# Altium PCB ECU_AutoRC_r00.PcbDoc (part 1 of 2) (continued)
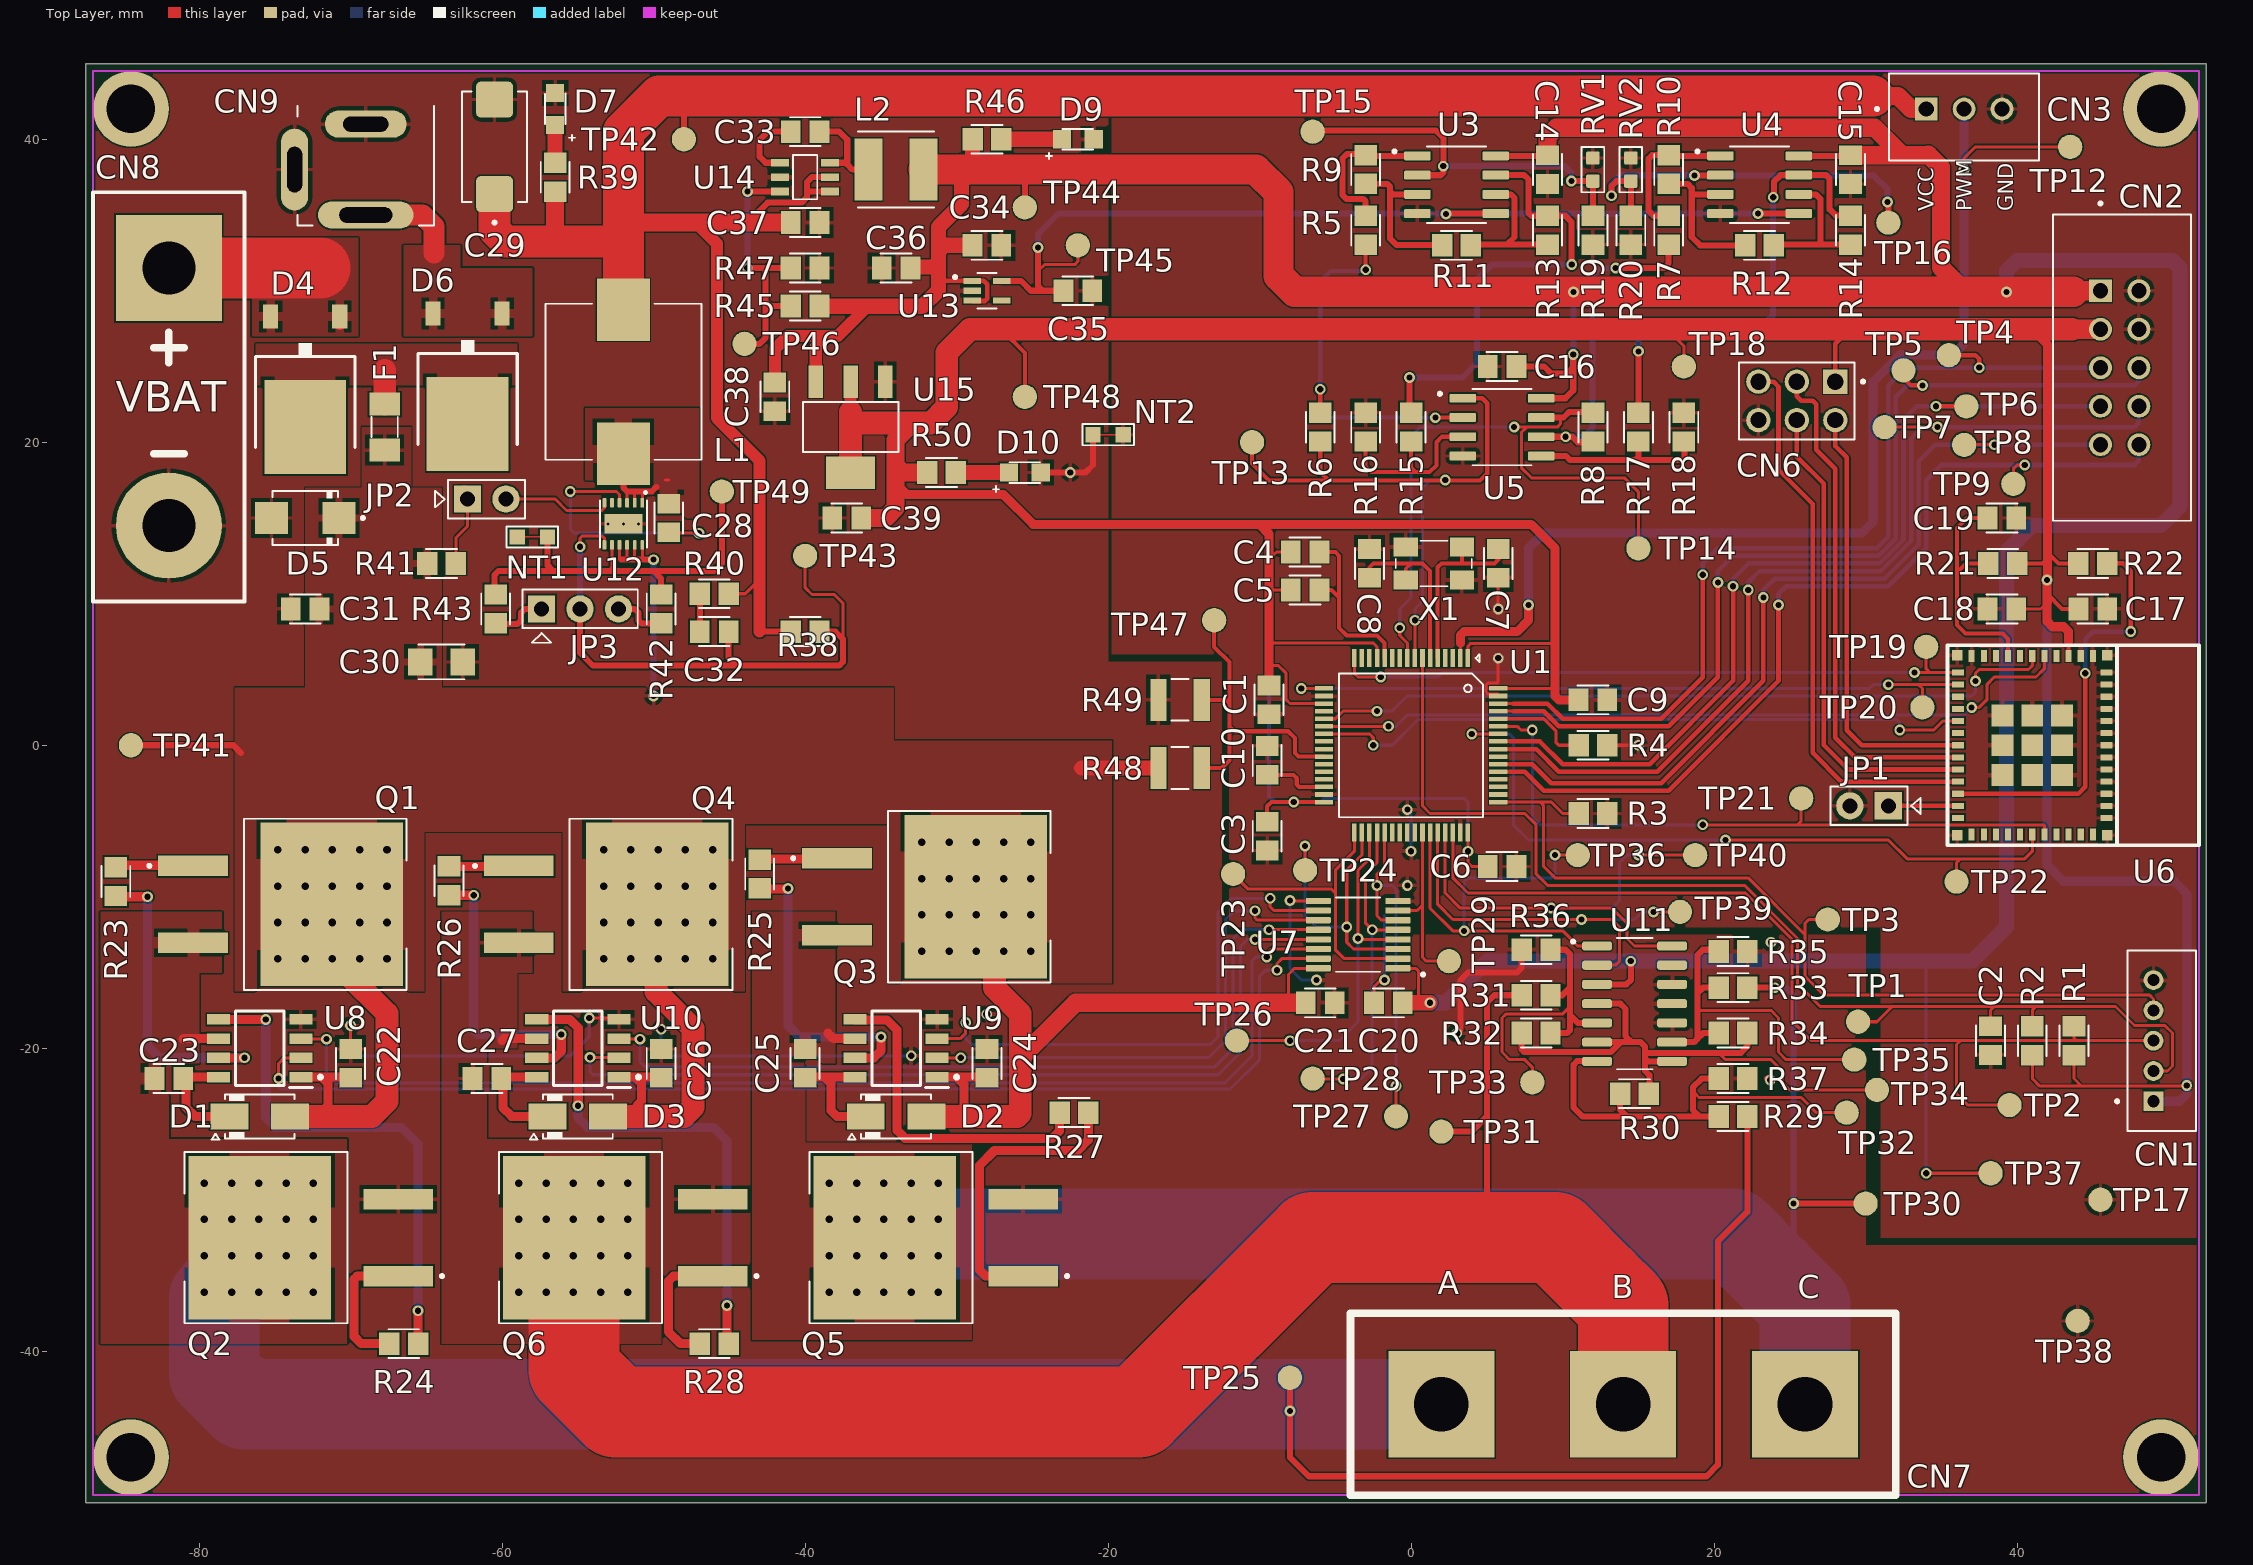
[diagram p0: Top Layer view]
## Design rules (kind name [scope] priority, off if disabled: settings) (continued)
PolygonConnect PolygonConnect_9 [All vs IsNamedPolygon('PH_A_p1')] p23: thpad.connectstyle=Relief thpad.reliefconductorwidth=0.254 thpad.reliefentries=4 thpad.polygonreliefangle="90 Angle" thpad.airgapwidth=0.254 smdpad.connectstyle=Relief smdpad.reliefconductorwidth=2 smdpad.reliefentries=2 smdpad.polygonreliefangle="90 Angle" smdpad.airgapwidth=0.254 via.connectstyle=Relief via.reliefconductorwidth=0.254 via.reliefentries=4 via.polygonreliefangle="90 Angle" via.airgapwidth=0.254
PolygonConnect PolygonConnect_8 [All vs IsNamedPolygon('PH_A_p1')] p24: thpad.connectstyle=Relief thpad.reliefconductorwidth=0.254 thpad.reliefentries=4 thpad.polygonreliefangle="90 Angle" thpad.airgapwidth=0.254 smdpad.connectstyle=Relief smdpad.reliefconductorwidth=2 smdpad.reliefentries=2 smdpad.polygonreliefangle="90 Angle" smdpad.airgapwidth=0.254 via.connectstyle=Relief via.reliefconductorwidth=0.254 via.reliefentries=4 via.polygonreliefangle="90 Angle" via.airgapwidth=0.254
PolygonConnect PolygonConnect_7 [All vs IsNamedPolygon('PH_A_p1')] p25: thpad.connectstyle=Relief thpad.reliefconductorwidth=0.254 thpad.reliefentries=4 thpad.polygonreliefangle="90 Angle" thpad.airgapwidth=0.254 smdpad.connectstyle=Relief smdpad.reliefconductorwidth=2 smdpad.reliefentries=2 smdpad.polygonreliefangle="0 Angle" smdpad.airgapwidth=0.254 via.connectstyle=Relief via.reliefconductorwidth=0.254 via.reliefentries=4 via.polygonreliefangle="90 Angle" via.airgapwidth=0.254
PolygonConnect PolygonConnect_6 [All vs IsNamedPolygon('PH_C_L01_P006')] p26: thpad.connectstyle=Relief thpad.reliefconductorwidth=0.254 thpad.reliefentries=4 thpad.polygonreliefangle="90 Angle" thpad.airgapwidth=0.254 smdpad.connectstyle=Relief smdpad.reliefconductorwidth=2 smdpad.reliefentries=4 smdpad.polygonreliefangle="90 Angle" smdpad.airgapwidth=0.254 via.connectstyle=Relief via.reliefconductorwidth=0.254 via.reliefentries=4 via.polygonreliefangle="90 Angle" via.airgapwidth=0.254
PolygonConnect PolygonConnect_5 [All vs IsNamedPolygon('PH_B_L01_P005')] p27: thpad.connectstyle=Relief thpad.reliefconductorwidth=0.254 thpad.reliefentries=4 thpad.polygonreliefangle="90 Angle" thpad.airgapwidth=0.254 smdpad.connectstyle=Relief smdpad.reliefconductorwidth=2 smdpad.reliefentries=4 smdpad.polygonreliefangle="90 Angle" smdpad.airgapwidth=0.254 via.connectstyle=Relief via.reliefconductorwidth=0.254 via.reliefentries=4 via.polygonreliefangle="90 Angle" via.airgapwidth=0.254
PolygonConnect PolygonConnect_4 [All vs IsNamedPolygon('PH_A_L01_P004')] p28: thpad.connectstyle=Relief thpad.reliefconductorwidth=0.254 thpad.reliefentries=4 thpad.polygonreliefangle="90 Angle" thpad.airgapwidth=0.254 smdpad.connectstyle=Relief smdpad.reliefconductorwidth=2 smdpad.reliefentries=4 smdpad.polygonreliefangle="90 Angle" smdpad.airgapwidth=0.254 via.connectstyle=Relief via.reliefconductorwidth=0.254 via.reliefentries=4 via.polygonreliefangle="90 Angle" via.airgapwidth=0.254
PolygonConnect PolygonConnect_3 [All vs IsNamedPolygon('VCC_P1')] p29: thpad.connectstyle=Relief thpad.reliefconductorwidth=0.254 thpad.reliefentries=4 thpad.polygonreliefangle="90 Angle" thpad.airgapwidth=0.254 smdpad.connectstyle=Relief smdpad.reliefconductorwidth=0.5 smdpad.reliefentries=4 smdpad.polygonreliefangle="90 Angle" smdpad.airgapwidth=0.254 via.connectstyle=Relief via.reliefconductorwidth=0.254 via.reliefentries=4 via.polygonreliefangle="90 Angle" via.airgapwidth=0.254
PolygonConnect PolygonConnect_2 [All vs IsNamedPolygon('VCC_P2')] p30: thpad.connectstyle=Relief thpad.reliefconductorwidth=0.254 thpad.reliefentries=4 thpad.polygonreliefangle="90 Angle" thpad.airgapwidth=0.254 smdpad.connectstyle=Relief smdpad.reliefconductorwidth=6 smdpad.reliefentries=4 smdpad.polygonreliefangle="90 Angle" smdpad.airgapwidth=0.254 via.connectstyle=Relief via.reliefconductorwidth=0.254 via.reliefentries=4 via.polygonreliefangle="90 Angle" via.airgapwidth=0.254
PolygonConnect PolygonConnect_1 [All vs IsNamedPolygon('VCC_P2')] p31: thpad.connectstyle=Relief thpad.reliefconductorwidth=0.254 thpad.reliefentries=4 thpad.polygonreliefangle="90 Angle" thpad.airgapwidth=0.254 smdpad.connectstyle=Relief smdpad.reliefconductorwidth=4 smdpad.reliefentries=4 smdpad.polygonreliefangle="90 Angle" smdpad.airgapwidth=0.254 via.connectstyle=Relief via.reliefconductorwidth=0.254 via.reliefentries=4 via.polygonreliefangle="90 Angle" via.airgapwidth=0.254
PolygonConnect PolygonConnect_VCC [All] p32: connectstyle=Relief reliefconductorwidth=0.254 reliefentries=4 polygonreliefangle="90 Angle" airgapwidth=0.254
PolygonConnect [All] p33: connectstyle=Relief reliefconductorwidth=0.254 reliefentries=4 polygonreliefangle="90 Angle" airgapwidth=0.254
RoutingVias [All] p1: holewidth=0.406 width=0.711 viastyle="Through Hole" minholewidth=0.406 minwidth=0.711 maxholewidth=0.406 maxwidth=0.711
ShortCircuit ShortCircuit_1 [InNet('PGND') vs InNet('GND')] p1: allowed=TRUE
ShortCircuit PGND-AGND [InNet('AGND') vs InNet('PGND')] p2: allowed=TRUE
ShortCircuit [All] p3: allowed=FALSE
SolderMaskExpansion [All] p1: expansion=0.102 istentingtop=FALSE
SupplyNets "Schematic Supply Nets_6" [InNet('PGND')] p1: voltage=0.000
SupplyNets "Schematic Supply Nets_5" [InNet('GND')] p2: voltage=0.000
SupplyNets "Schematic Supply Nets_8" [InNet('+1V5')] p3: voltage=0.000
SupplyNets "Schematic Supply Nets_4" [InNet('+8V4')] p4: voltage=0.000
SupplyNets "Schematic Supply Nets_3" [InNet('AGND')] p5: voltage=0.000
SupplyNets "Schematic Supply Nets_2" [InNet('+5V')] p6: voltage=0.000
SupplyNets "Schematic Supply Nets_1" [InNet('+3V3')] p7: voltage=0.000
SupplyNets "Schematic Supply Nets" [InNet('VCC')] p8: voltage=0.000
Width [All] p1: maxlimit=7 minlimit=0.16 preferedwidth=0.254 minimp=50.000000 maximp=50.000000 favimp=50.000000
29 further rules are at their usual default settings.

## Classes and differential pairs
component class "Realimentación de control del motor Brushless": CN7 R29 R30 R31 R32 R33 R34 R35 R36 R37 TP32 TP33 TP34 TP35 TP36 TP37 TP38 TP39 TP40 U11
component class "Medición de temperatura": C14 C15 C16 R5 R6 R7 R8 R9 R10 R11 R12 R13 R14 R15 R16 R17 R18 R19 R20 RV1 RV2 TP13 TP14 TP15 TP16 U3 U4 U5
component class "Fuente y reguladores de Voltaje": " NT2" C28 C29 C30 C31 C32 C33 C34 C35 C36 C37 C38 C39 CN8 CN9 D4 D5 D6 D7 D9 D10 F1 JP2 JP3 L1 L2 NT1 R38 R39 R40 R41 R42 R43 R45 R46 R47 R48 R49 R50 TP41 TP42 TP43 TP44 TP45 TP46 TP47 TP48 TP49 U12 U13 U14 U15
component class "Driver Motor Brushless": C20 C21 C22 C23 C24 C25 C26 C27 D1 D2 D3 Q1 Q2 Q3 Q4 Q5 Q6 R23 R24 R25 R26 R27 R28 TP23 TP24 TP25 TP26 TP27 TP28 TP29 TP30 TP31 U7 U8 U9 U10
component class "CPU - Ports, Periféricos": CN2 CN3 TP4 TP5 TP6 TP7 TP8 TP9 TP12
component class "CPU- Clock, JTAG y Power": C1 C2 C3 C4 C5 C6 C7 C8 C9 C10 CN1 R1 R2 R3 R4 TP1 TP2 TP3 U1 X1
component class "Conectivad Bluetooth v5.0": C17 C18 C19 CN6 JP1 R21 R22 TP17 TP18 TP19 TP20 TP21 TP22 U6

## Components (designator, comment, footprint, x,y, rotation, side; value= is the part's Value field where it differs from the comment)
C1 "100nF 25V X7R" C_0805 -9.38,3 r90 top
C2 "100nF 25V X7R" C_0805 38.25,-19.5 r270 top
C3 "100nF 25V X7R" C_0805 -9.5,-6 r90 top
C4 "100nF 25V X7R" C_0805 -7,12.75 r0 top
C5 "100nF 25V X7R" C_0805 -7,10.25 r0 top
C6 "100nF 25V X7R" C_0805 6,-8 r180 top
C7 "22pF 25V C0G" C_0805 5.75,12 r270 top
C8 "22pF 25V C0G" C_0805 -2.75,12 r90 top
C9 "100nF 25V X7R" C_0805 12,3 r180 top
C10 "4.7uF 25V X7R" C_0805 -9.5,-1 r270 top
C14 "0.1uF 25V X7R" C_0805 9,38 r270 top
C15 "0.1uF 25V X7R" C_0805 29,38 r270 top
C16 "0.1uF 25V X7R" C_0805 6,25 r180 top
C17 "10uF 25V X7R" C_0805 45,9 r0 top
C18 "100nF 25V X7R" C_0805 39,9 r180 top
C19 "1uF 25V X7R" C_0805 39,15 r0 top
C20 "0.1uF 50V X7R" C_0805 -1.5,-17 r0 top
C21 "0.1uF 50V X7R" C_0805 -6,-17 r180 top
C22 "0.1uF 50V X7R" C_0805 -70,-21 r270 top
C23 "2.2uF 50V X7R" C_0805 -82,-22 r180 top
C24 "0.1uF 50V X7R" C_0805 -28,-21 r270 top
C25 "2.2uF 50V X7R" C_0805 -40,-21 r90 top
C26 "0.1uF 50V X7R" C_0805 -49.5,-21 r270 top
C27 "2.2uF 50V X7R" C_0805 -61,-22 r180 top
C28 "0.1uF 25V X7R" C_0805 -49,15 r90 top
C29 "100uF 25V TANT" C_TANT_2917 -60.5,39.5 r90 top
C30 "10uF 50V X7R" C_1206 -64,5.5 r180 top
C31 "0.1uF 50V X7R" C_0805 -73,9 r0 top
C32 "33 pF 25V X7R" C_0805 -46,7.5 r180 top
C33 "0.1uF 50V X7R" C_0805 -40,40.5 r0 top
C34 "1uF 25V X7R" C_0805 -28,33 r0 top
C35 "1uF 25V X7R" C_0805 -22,30 r0 top
C36 "22uF 25V X7R" C_0805 -34,31.5 r180 top
C37 "2.2uF 25V X7R" C_0805 -40,34.5 r0 top
C38 "0.1uF 25V X7R" C_0805 -42,23 r270 top
C39 "10uF 10V X7R" C_0805 -37.25,15 r180 top
CN1 "Header Male 1x5 0.1\"" HEADER_M_1X5_2MM 49.55,-19.5 r270 top
CN2 "Input Receptor" HEADER_M_2X5_2.54MM 46.77,24.92 r270 top
CN3 "CONN_SERVO" HEADER_M_1X3_2.5MM 36.5,41.475 r180 top
CN6 "JTAG ESP" HEADER_2x3_2.5MM 25.46,22.73 r180 top
CN7 "Conn_Brushless" CONN_BRUSHLESS 2,-43.5 r90 top
CN8 "CONN_02P" CONN_BAT -82,31.5 r0 top
CN9 "CN_PowerJack" PJ002B -69,35 r90 top
D1 "B160-13-F" D_SMA -76,-24.5 r180 top
D2 "B160-13-F" D_SMA -34,-24.5 r180 top
D3 "B160-13-F" D_SMA -55,-24.5 r180 top
D4 "STPS1045B" TO252_1 -73,23.5 r180 top
D5 "SMBJ16A" D_SMB -73,15 r0 top
D6 "STPS1045B" TO252_1 -62.28,23.7 r180 top
D7 "LED" LED_0805 -56.5,42 r270 top
D9 "LED" LED_0805 -22,40 r180 top
D10 "LED" LED_0805 -25.5,18 r180 top
F1 "0685P9100-01" F_1206 -67.75,21 r270 top
JP1 "Boot Option" "HEADER_M_1X2_0.1\"" 31.5,-4 r180 top
JP2 "Jumper-1x2" "HEADER_M_1X2_0.1\"" -62.29,16.25 r0 top
JP3 "Jumper-1x3" "HEADER_M_1X3_0.1\"" -57.396,9 r0 top
L1 "PA4342.822NLT 8.2uH" IND_PA4342.822NLT -52,23.994 r90 top
L2 "LQH5BPN150MT0L 15uH" IND_LQH5BPN150MT0L -34,38 r0 top
NT1 "NT" NET_TIE -58,13.75 r0 top
NT2 "NT" NET_TIE -20,20.5 r0 top
Q1 "IPB042N10N3GATMA1" TO263-3 -74,-10.5 r270 top
Q2 "IPB042N10N3GATMA1" TO263-3 -73.26,-32.5 r90 top
Q3 "IPB042N10N3GATMA1" TO263-3 -31.5,-10 r270 top
Q4 "IPB042N10N3GATMA1" TO263-3 -52.5,-10.5 r270 top
Q5 "IPB042N10N3GATMA1" TO263-3 -32,-32.5 r90 top
Q6 "IPB042N10N3GATMA1" TO263-3 -52.5,-32.5 r90 top
R1 "10K 5%" R_0805 43.75,-19.5 r270 top
R2 "10K 5%" R_0805 41,-19.5 r270 top
R3 "10K 5%" R_0805 12,-4.5 r180 top
R4 "10K 5%" R_0805 12,0 r180 top
R5 "100K 1%" R_0805 -3,34 r90 top
R6 "100K 1%" R_0805 -6,21 r90 top
R7 "100K 1%" R_0805 17,34 r270 top
R8 "100K 1%" R_0805 12,21 r90 top
R9 "100K 1%" R_0805 -3,38 r90 top
R10 "100K 1%" R_0805 17,38 r270 top
R11 "470K 1%" R_0805 3,33 r180 top
R12 "470K 1%" R_0805 23,33 r0 top
R13 "100K 1%" R_0805 9,34 r270 top
R14 "100K 1%" R_0805 29,34 r90 top
R15 "100K 1%" R_0805 0,21 r90 top
R16 "100K 1%" R_0805 -3,21 r270 top
R17 "100K 1%" R_0805 15,21 r270 top
R18 "100K 1%" R_0805 18,21 r90 top
R19 "3K3 1%" R_0805 12,34 r90 top
R20 "3K3 1%" R_0805 14.5,34 r90 top
R21 "10K 5%" R_0805 39.05,12 r0 top
R22 "10K 5%" R_0805 45,12 r0 top
R23 "10R 5%" R_0805 -85.5,-9 r90 top
R24 "10R 5%" R_0805 -66.5,-39.5 r180 top
R25 "10R 5%" R_0805 -43,-8.5 r90 top
R26 "10R 5%" R_0805 -63.5,-8.95 r90 top
R27 "10R 5%" R_0805 -22.25,-24.25 r0 top
R28 "10R 5%" R_0805 -46,-39.5 r180 top
R29 "33K 1% 1/2W" R_0805 21.25,-24.5 r180 top
R30 "33K 1% 1/2W" R_0805 14.75,-23 r0 top
R31 "33K 1% 1/2W" R_0805 8.25,-16.5 r180 top
R32 "33K 1% 1/2W" R_0805 8.25,-19 r0 top
R33 "33K 1% 1/2W" R_0805 21.25,-16 r0 top
R34 "33K 1% 1/2W" R_0805 21.25,-19 r180 top
R35 "33K 1% 1/2W" R_0805 21.25,-13.62 r180 top
R36 "33K 1% 1/2W" R_0805 8.25,-13.5 r0 top
R37 "33K 1% 1/2W" R_0805 21.25,-22 r180 top
R38 "100K 1%" R_0805 -40,7.5 r180 top
R39 "330 5%" R_0805 -56.5,37.5 r270 top
R40 "1K 1%" R_0805 -46,10 r0 top
R41 "10K 1%" R_0805 -64,12 r180 top
R42 "10.5K 1%" R_0805 -49.5,9 r270 top
R43 "13.3K 1%" R_0805 -60.428,9 r270 top
R45 "100K 1%" R_0805 -40,29 r0 top
R46 "150R 5%" R_0805 -28,40 r180 top
R47 "20.5K 1%" R_0805 -40,31.5 r0 top
R48 "430K 1% 1/2W" R_1210 -15.25,-1.5 r0 top
R49 "100K 1% 1/2W" R_1210 -15.25,3 r180 top
R50 "68R 5%" R_0805 -31,18 r180 top
RV1 "B57321V2103H060" R_0603 12,38 r0 top
RV2 "B57321V2103H060" R_0603 14.5,38 r0 top
TP1 "Test Point" TEST_POINT 29.5,-18.25 r0 top
TP2 "Test Point" TEST_POINT 39.5,-23.75 r90 top
TP3 "Test Point" TEST_POINT 27.5,-11.5 r90 top
TP4 "Test Point" TEST_POINT 35.5,25.75 r90 top
TP5 "Test Point" TEST_POINT 32.5,24.75 r90 top
TP6 "Test Point" TEST_POINT 36.65,22.375 r90 top
TP7 "Test Point" TEST_POINT 31.25,21 r90 top
TP8 "Test Point" TEST_POINT 36.5,19.825 r90 top
TP9 "Test Point" TEST_POINT 39.75,17.25 r90 top
TP12 "Test Point" TEST_POINT 43.5,39.5 r90 top
TP13 "Test Point" TEST_POINT -10.5,20 r90 top
TP14 "Test Point" TEST_POINT 15,13 r90 top
TP15 "Test Point" TEST_POINT -6.5,40.5 r90 top
TP16 "Test Point" TEST_POINT 31.5,34.5 r90 top
TP17 "Test Point" TEST_POINT 45.5,-30 r90 top
TP18 "Test Point" TEST_POINT 18,25 r90 top
TP19 "Test Point" TEST_POINT 34,6.5 r90 top
TP20 "Test Point" TEST_POINT 33.75,2.5 r90 top
TP21 "Test Point" TEST_POINT 25.75,-3.5 r90 top
TP22 "Test Point" TEST_POINT 36,-9 r90 top
TP23 "Test Point" TEST_POINT -11.75,-8.5 r90 top
TP24 "Test Point" TEST_POINT -7,-8.25 r270 top
TP25 "Test Point" TEST_POINT -8,-41.75 r270 top
TP26 "Test Point" TEST_POINT -11.5,-19.5 r0 top
TP27 "Test Point" TEST_POINT -1,-24.5 r90 top
TP28 "Test Point" TEST_POINT -6.5,-22 r90 top
TP29 "Test Point" TEST_POINT 2.5,-14.25 r90 top
TP30 "Test Point" TEST_POINT 30,-30.25 r90 top
TP31 "Test Point" TEST_POINT 2,-25.5 r90 top
TP32 "Test Point" TEST_POINT 28.75,-24.25 r90 top
TP33 "Test Point" TEST_POINT 8,-22.25 r90 top
TP34 "Test Point" TEST_POINT 30.75,-22.75 r90 top
TP35 "Test Point" TEST_POINT 29.25,-20.75 r90 top
TP36 "Test Point" TEST_POINT 11,-7.25 r90 top
TP37 "Test Point" TEST_POINT 38.25,-28.25 r90 top
TP38 "Test Point" TEST_POINT 44,-38 r90 top
TP39 "Test Point" TEST_POINT 17.75,-11 r90 top
TP40 "Test Point" TEST_POINT 18.75,-7.25 r90 top
TP41 "Test Point" TEST_POINT -84.5,0 r90 top
TP42 "Test Point" TEST_POINT -48,40 r90 top
TP43 "Test Point" TEST_POINT -40,12.5 r90 top
TP44 "Test Point" TEST_POINT -25.5,35.5 r90 top
TP45 "Test Point" TEST_POINT -22,33 r90 top
TP46 "Test Point" TEST_POINT -44,26.5 r90 top
TP47 "Test Point" TEST_POINT -13,8.25 r90 top
TP48 "Test Point" TEST_POINT -25.5,23 r90 top
TP49 "Test Point" TEST_POINT -45.5,16.75 r90 top
U1 "STM32F401RET6" STM32F401T6 0,0 r180 top
U3 "LM158DT" IC_SO8 3,37 r0 top
U4 "LM158DT" IC_SO8 23,37 r0 top
U5 "LM158DT" IC_SO8 6,21 r0 top
U6 "ESP8684-MINI" ESP8684-MINI 41,0 r270 top
U7 "ISO7760FDBQR" IC_SSOP16 -3.5,-12.5 r180 top
U8 "IR2101STRPBF" IC_8SOIC -76,-20 r180 top
U9 "IR2101STRPBF" IC_8SOIC -34,-20 r180 top
U10 "IR2101STRPBF" IC_8SOIC -55,-20 r180 top
U11 "LM339DR" SOIC14 14.75,-17.059 r0 top
U12 "LMR51460FSQDRRRQ1" LMR51460FSQDRRRQ1 -52,14.613 r270 top
U13 "MIC5366-1.5YC5-TR" "SC 70-5" -28,30 r0 top
U14 "DCP3601NMR" SOT23-6 -40,37.5 r0 top
U15 "LD1117S33CTR" SOT-223 -37,21 r180 top
X1 "ECS-80-18-30-JGN-TR" XTAL_4N_ECS-80-10 1.5,12 r0 top

## Footprints (in the part's own frame and the unit in brackets; to place one, negate y for a bottom-side part, rotate by r counter-clockwise, add the part's x,y. Pads: shape width x height; smd on the part's side, far side on the other; paste and mask are expansions set on the pad)
C_0805 [mm] "Chip Capacitor, 2-Leads, Body 2.00x1.25mm"
  rect 1.3x1.5 smd: 1(-0.95,0) 2(0.95,0)
  silkscreen extent -1.02,-0.95 1.02,0.95, body extent -1,-0.62 1,0.63, height 0.78
C_1206 [mm]
  rect 1.6x1.8 smd: 1(-1.4,0) 2(1.4,0)
  silkscreen extent -1.52,-1.14 1.52,1.14, body extent -1.6,-0.8 1.6,0.8, height 1
C_TANT_2917 [mm]
  rrect25% 2.37x2.43 smd: 1(-3.12,0) 2(3.12,0)
  silkscreen extent -5.1,-2.15 3.65,2.15, body extent -3.65,-2.15 3.65,2.15, height 4.3
CONN_BAT [mm]
  rect 7x7 hole 3.5: 1(0,0)
  round 7 hole 3.5: 2(0,-17)
  silkscreen extent -5,-22 5,5
CONN_BRUSHLESS [mm]
  rect 7x7 hole 3.6: 1(0,0) 2(0,-12) 3(0,-24)
  silkscreen extent -6,-30 6,6
D_SMA [mm]
  rect 2.5x1.7 smd: 1(-2,0) 2(2,0)
  silkscreen extent -2.3,-1.52 3.17,1.52, body extent -2.74,-1.4 2.74,1.4, height 2.39
D_SMB [mm]
  rect 2.17x2.11 smd: 1(-2.22,0) 2(2.22,0)
  silkscreen extent -2.16,-1.8 3.9,1.8, body extent -2.72,-1.78 2.72,1.78, height 2.49
ESP8684-MINI [mm]
  rect 0.8x0.4 smd: 1(-5.9,4) 2(-5.9,3.2) 3(-5.9,2.4) 4(-5.9,1.6) 5(-5.9,0.8) 6(-5.9,0) 7(-5.9,-0.8) 8(-5.9,-1.6) 9(-5.9,-2.4) 10(-5.9,-3.2) 11(-5.9,-4) 25(5.9,-4) 26(5.9,-3.2) 27(5.9,-2.4) 28(5.9,-1.6) 29(5.9,-0.8) 30(5.9,0) 31(5.9,0.8) 32(5.9,1.6) 33(5.9,2.4) 34(5.9,3.2) 35(5.9,4)
  rect 0.4x0.8 smd: 12(-4.8,-4.9) 13(-4,-4.9) 14(-3.2,-4.9) 15(-2.4,-4.9) 16(-1.6,-4.9) 17(-0.8,-4.9) 18(0,-4.9) 19(0.8,-4.9) 20(1.6,-4.9) 21(2.4,-4.9) 22(3.2,-4.9) 23(4,-4.9) 24(4.8,-4.9) 36(4.8,4.9) 37(4,4.9) 38(3.2,4.9) 39(2.4,4.9) 40(1.6,4.9) 41(0.8,4.9) 42(0,4.9) 43(-0.8,4.9) 44(-1.6,4.9) 45(-2.4,4.9) 46(-3.2,4.9) 47(-4,4.9) 48(-4.8,4.9)
  rect 1.45x1.45 smd: 49(-1.975,1.975) 49(-1.975,0) 49(-1.975,-1.975) 49(0,1.975) 49(0,0) 49(0,-1.975) 49(1.975,1.975) 49(1.975,0) 49(1.975,-1.975)
  rect 0.7x0.7 smd: 50(5.95,4.95) 51(5.95,-4.95) 52(-5.95,-4.95) 53(-5.95,4.95)
  silkscreen extent -6.6,-5.6 6.6,11, body extent -6.6,-5.6 6.6,11, height 2.55
F_1206 [mm]
  rect 1.52x2.03 smd: 1(-1.52,0) 2(1.52,0)
  silkscreen extent -0.66,-0.86 0.66,0.86, body extent -1.6,-0.79 1.6,0.79, height 0.83
HEADER_2x3_2.5MM [mm]
  rect 1.605x1.605 / inner round 1.605 / far side rect 1.605x1.605 hole 1.07: 1(-2.54,-1.27)
  round 1.605 hole 1.07: 2(-2.54,1.27) 3(0,-1.27) 4(0,1.27) 5(2.54,-1.27) 6(2.54,1.27)
  silkscreen extent -4.47,-2.54 3.81,2.54, body extent -3.83,-2.54 3.79,2.54, height 8.36
"HEADER_M_1X2_0.1\"" [mm] "Header Male 1 x 2 Vias Pitch 100mils"
  rect 1.8x1.8 hole 1: 1(0,0)
  round 1.8 hole 1: 2(2.54,0)
  silkscreen extent -2.13,-1.27 3.81,1.27, body extent -1.27,-1.24 3.81,1.24, height 8.54
"HEADER_M_1X3_0.1\"" [mm] "Header Male 1 x 3 Vias Pitch 100mils"
  rect 1.8x1.8 hole 1: 1(0,0)
  round 1.8 hole 1: 2(2.54,0) 3(5.08,0)
  silkscreen extent -1.27,-2.23 6.35,1.27, body extent -1.27,-1.24 6.35,1.24, height 8.54
HEADER_M_1X3_2.5MM [mm]
  rect 1.508x1.508 / inner round 1.508 / far side rect 1.508x1.508 hole 1: 1(2.5,-0.525)
  round 1.508 hole 1: 2(0,-0.525) 3(-2.5,-0.525)
  silkscreen extent -4.95,-2.88 5.85,2.88, body extent -4.95,-2.88 4.95,2.88, height 7
HEADER_M_1X5_2MM [mm]
  rect 1.308x1.308 / inner round 1.308 / far side rect 1.308x1.308 hole 0.8: 1(4,-0.55)
  round 1.308 hole 0.8: 2(2,-0.55) 3(0,-0.55) 4(-2,-0.55) 5(-4,-0.55)
  silkscreen extent -5.95,-3.05 5.95,2.25, body extent -5.95,-2.25 5.95,2.25, height 6
HEADER_M_2X5_2.54MM [mm]
  rect 1.508x1.508 / inner round 1.508 / far side rect 1.508x1.508 hole 1: 1(-5.08,-1.27)
  round 1.508 hole 1: 2(-5.08,1.27) 3(-2.54,-1.27) 4(-2.54,1.27) 5(0,-1.27) 6(0,1.27) 7(2.54,-1.27) 8(2.54,1.27) 9(5.08,-1.27) 10(5.08,1.27)
  silkscreen extent -10.95,-4.4 10.1,4.7, body extent -10.1,-4.39 10.1,4.7, height 9.09
IC_8SOIC [mm]
  rect 1.525x0.7 smd: 1(-2.712,1.905) 2(-2.712,0.635) 3(-2.712,-0.635) 4(-2.712,-1.905) 5(2.712,-1.905) 6(2.712,-0.635) 7(2.712,0.635) 8(2.712,1.905)
  silkscreen extent -4.1,-2.45 1.6,2.61, body extent -3,-2.45 3,2.45, height 1.75
IC_SO8 [mm]
  rrect25% 1.75x0.59 smd: 1(-2.585,1.905) 2(-2.585,0.635) 3(-2.585,-0.635) 4(-2.585,-1.905) 5(2.585,-1.905) 6(2.585,-0.635) 7(2.585,0.635) 8(2.585,1.905)
  silkscreen extent -4.2,-2.52 1.95,2.52, body extent -3,-2.45 3,2.45, height 1.75
IC_SSOP16 [mm]
  rrect25% 1.65x0.41 smd: 1(-2.63,2.222) 2(-2.63,1.587) 3(-2.63,0.952) 4(-2.63,0.317) 5(-2.63,-0.318) 6(-2.63,-0.953) 7(-2.63,-1.588) 8(-2.63,-2.223) 9(2.63,-2.222) 10(2.63,-1.587) 11(2.63,-0.952) 12(2.63,-0.317) 13(2.63,0.318) 14(2.63,0.953) 15(2.63,1.588) 16(2.63,2.223)
  silkscreen extent -4.38,-2.45 1.45,2.73, body extent -3,-2.45 3,2.45, height 1.75
IND_LQH5BPN150MT0L [mm]
  rect 1.85x4.1 smd: 1(-1.825,0) 2(1.825,0)
  silkscreen extent -2.5,-2.5 2.5,2.5, body extent -2.5,-2.5 2.5,2.5, height 2.2
IND_PA4342.822NLT [mm]
  rect 4.1x3.5 smd: 1(-4.75,0) 2(4.75,0)
  silkscreen extent -5.15,-5.15 5.15,5.15, body extent -5.75,-5.15 5.75,5.15, height 4
LED_0805 [mm]
  rect 1.2x1.2 smd: 1(1.05,0) 2(-1.05,0)
  silkscreen extent -1.02,-0.68 2.1,1.3, body extent -1,-0.63 1,0.63, height 1.1
LMR51460FSQDRRRQ1 [mm]
  rrect40% 0.62x0.25 smd: 1(-1.39,1.25) 2(-1.39,0.75) 3(-1.39,0.25) 4(-1.39,-0.25) 5(-1.39,-0.75) 6(-1.39,-1.25) 7(1.39,-1.25) 8(1.39,-0.75) 9(1.39,-0.25) 10(1.39,0.25) 11(1.39,0.75) 12(1.39,1.25)
  rect 1.3x2.5 smd: 13(0,0)
  silkscreen extent -2.1,-1.55 1.55,1.55, body extent -1.5,-1.5 1.5,1.5, height 0.8
NET_TIE [mm]
  rect 1x1 smd mask+0.01: 1(-1,0) 2(1,0)
  Top Layer region: -0.9,-0.05 0.9,-0.05 0.9,0.05 -0.9,0.05
  silkscreen extent -1.7,-0.7 1.7,0.7
PJ002B [mm]
  oval 1.8x6.3 hole 1 slot 3.5 at 90 deg: 1(0,0)
  oval 1.8x5.4 hole 1 slot 3 at 90 deg: 2(6,0)
  oval 5.4x1.8 hole 1 slot 3 at 0 deg: 3(3,4.7)
  silkscreen extent -0.7,-4.5 7.2,4.5, body extent -0.7,-4.7 13.7,4.7, height 11.05
R_0603 [mil]
  rrect25% 35x35 smd: 1(0,30) 2(0,-30)
  silkscreen extent -30,-59 30,59, body extent -16,-31 16,31, height 22
R_0805 [mm] "Chip Resistor, 2-Leads, Body 2.00x1.25mm, IPC Low Density"
  rect 1.35x1.5 smd: 1(-0.95,0) 2(0.95,0)
  silkscreen extent -1.02,-0.95 1.02,0.95, body extent -1,-0.62 1,0.62, height 0.6
R_1210 [mm]
  rect 1.07x2.77 smd: 1(-1.43,0) 2(1.43,0)
  silkscreen extent -0.57,-1.38 0.57,1.38, body extent -1.55,-1.3 1.55,1.3, height 0.65
"SC 70-5" [mm]
  rect 1.17x0.4 smd: 1(-0.97,0.65) 2(-0.97,0) 3(-0.97,-0.65) 4(0.97,-0.65) 5(0.97,0.65)
  silkscreen extent -2.2,-1.17 0.63,1.17, body extent -1.05,-1 1.05,1, height 1.1
SOIC14 [mm]
  rrect50% 1.97x0.6 smd: 1(-2.475,3.81) 2(-2.475,2.54) 3(-2.475,1.27) 4(-2.475,0) 5(-2.475,-1.27) 6(-2.475,-2.54) 7(-2.475,-3.81) 8(2.475,-3.81) 9(2.475,-2.54) 10(2.475,-1.27) 11(2.475,0) 12(2.475,1.27) 13(2.475,2.54) 14(2.475,3.81)
  silkscreen extent -4.15,-4.33 1.17,4.33, body extent -3,-4.33 3,4.33, height 1.75
SOT23-6 [mm]
  rect 1.2x0.51 smd: 1(-1.65,0.95) 2(-1.65,0) 3(-1.65,-0.95) 4(1.65,-0.95) 5(1.65,0) 6(1.65,0.95)
  silkscreen extent -0.8,-1.46 0.8,1.46, body extent -1.4,-1.44 1.4,1.46, height 1.18
SOT-223 [mm]
  rect 0.95x2.15 smd: 1(-2.3,-3) 2(0,-3) 3(2.3,-3)
  rect 3.25x2.15 smd: 2(0,3)
  silkscreen extent -3.15,-1.65 3.15,1.65, body extent -3.25,-3.5 3.25,3.5, height 1.71
STM32F401T6 [mm]
  rect 0.3x1.2 smd: 1(-3.75,-5.75) 2(-3.25,-5.75) 3(-2.75,-5.75) 4(-2.25,-5.75) 5(-1.75,-5.75) 6(-1.25,-5.75) 7(-0.75,-5.75) 8(-0.25,-5.75) 9(0.25,-5.75) 10(0.75,-5.75) 11(1.25,-5.75) 12(1.75,-5.75) 13(2.25,-5.75) 14(2.75,-5.75) 15(3.25,-5.75) 16(3.75,-5.75) 33(3.75,5.75) 34(3.25,5.75) 35(2.75,5.75) 36(2.25,5.75) 37(1.75,5.75) 38(1.25,5.75) 39(0.75,5.75) 40(0.25,5.75) 41(-0.25,5.75) 42(-0.75,5.75) 43(-1.25,5.75) 44(-1.75,5.75) 45(-2.25,5.75) 46(-2.75,5.75) 47(-3.25,5.75) 48(-3.75,5.75)
  rect 1.2x0.3 smd: 17(5.75,-3.75) 18(5.75,-3.25) 19(5.75,-2.75) 20(5.75,-2.25) 21(5.75,-1.75) 22(5.75,-1.25) 23(5.75,-0.75) 24(5.75,-0.25) 25(5.75,0.25) 26(5.75,0.75) 27(5.75,1.25) 28(5.75,1.75) 29(5.75,2.25) 30(5.75,2.75) 31(5.75,3.25) 32(5.75,3.75) 49(-5.75,3.75) 50(-5.75,3.25) 51(-5.75,2.75) 52(-5.75,2.25) 53(-5.75,1.75) 54(-5.75,1.25) 55(-5.75,0.75) 56(-5.75,0.25) 57(-5.75,-0.25) 58(-5.75,-0.75) 59(-5.75,-1.25) 60(-5.75,-1.75) 61(-5.75,-2.25) 62(-5.75,-2.75) 63(-5.75,-3.25) 64(-5.75,-3.75)
  silkscreen extent -4.75,-6 4.75,4.75, body extent -5.89,-5.89 5.89,5.89, height 1.55
TEST_POINT [mm]
  round 1.6 smd mask-2539.97: 1(0,0)
TO252_1 [mm]
  rect 1x1.6 smd: 1(-2.28,-4.8) 1(2.28,-4.8)
  rect 5.4x6.2 smd: 2(0,2.5)
  silkscreen extent -3.28,-3.02 3.28,3.84, body extent -3.25,-4.92 3.25,4.8, height 2.4
TO263-3 [mm]
  rect 1.35x4.6 smd: 1(-2.54,-6.4) 3(2.54,-6.4)
  rect 10.8x9.4 smd paste-5: 2(0,2.75)
  silkscreen extent -5.65,-9.39 5.65,7.7, body extent -5,-8.13 5,6.82, height 4.41
XTAL_4N_ECS-80-10 [mm]
  rect 1.6x1.25 smd: 1(1.85,1.1) 2(-1.85,1.1) 3(-1.85,-1.1) 4(1.85,-1.1)
  silkscreen extent -2.5,-1.5 2.5,1.5, body extent -2.5,-1.6 2.5,1.6, height 1.3

## Part data
C1 C2 C3 C4 C5 C6 C7 C8 C9 C10 C14 C15 C16 C17 C18 C19 C20 C21 C22 C23 C24 C25 C26 C27 C28 C30 C31 C32 C33 C34 C35 C36 C37 C38 C39: library part "Capacitor NP", "Non Polarizated Capacitor"
C29: library part "Capacitor Polarizado", "Polarizated Capacitor"
CN1: library part CONN_05P, "Connector Generic 5 Vias"
CN2: library part CONN_10P, "Connector Generic 10 Vias"
CN3 CN7: library part CONN_03P, "3 Pin Connector"
CN6: library part CONN_06P, "Connector Generic 6 Vias"
CN8: "2 Pin Connector"
CN9: "Barrel Power Connector"
D1 D2 D3 D4 D6: library part Diode_Schottky, "Diode Schottky"
D5: library part Diode_Zener, "Diode Zener"
F1: library part FUSE, "Fuse", Package=SMD-2, Availability=Unavailable, Check_prices=https://www.snapeda.com/parts/0679L1000-05/Bel+Fuse/view-part/?ref=eda, MF="Bel Fuse", MP=0679L1000-05, Price=None, SnapEDA_Link=https://www.snapeda.com/parts/0679L1000-05/Bel+Fuse/view-part/?ref=snap
JP1: library part Jumper
L1 L2: library part Inductor, "Inductor"
NT1 NT2: library part NET_TIE_SMD
Q1 Q2 Q3 Q4 Q5 Q6: library part NMOS, "Mosfet N"
R1 R2 R3 R4 R5 R6 R7 R8 R9 R10 R11 R12 R13 R14 R15 R16 R17 R18 R19 R20 R21 R22 R23 R24 R25 R26 R27 R28 R29 R30 R31 R32 R33 R34 R35 R36 R37 R38 R39 R40 R41 R42 R43 R45 R46 R47 R48 R49 R50: library part Resistor, "Resistor"
RV1 RV2: library part Thermistor, "Thermistor"
TP1 TP2 TP3 TP4 TP5 TP6 TP7 TP8 TP9 TP12 TP13 TP14 TP15 TP16 TP17 TP18 TP19 TP20 TP21 TP22 TP23 TP24 TP25 TP26 TP27 TP28 TP29 TP30 TP31 TP32 TP33 TP34 TP35 TP36 TP37 TP38 TP39 TP40 TP41 TP42 TP43 TP44 TP45 TP46 TP47 TP48 TP49: library part TestPoint
U1: library part STM32F401RE, "STM32 Microcontroller"
U3 U4 U5: library part LM158, "Intrumentation Amplifier"
U7: "DGTL ISOLTR 3KV 6CH GP 16-SSOP"
U8 U9 U10: "Half-Bridge Gate Driver IC Non-Inverting 8-SOIC"
U11: "Comparator Standard Open-Collector 14-SOIC"
U12: "IC REG BUCK ADJ 6A 12WSON"
U13: "IC REG LINEAR 1.5V 150MA SC-70-5"
U15: "IC REG LINEAR 3.3V 800MA SOT-223"
X1: library part CRYSTAL_4P, "Xtal 4 Ports"

## Free pads (board coordinates)
  round 5 hole 3.2 unplated: 1(-84.5,-47) 1(-84.5,42) 1(49.5,-47) 1(49.5,42)

## Via types
v1: diameter 0.711, hole 0.406, Top Layer to Bottom Layer, 123 vias
v2: diameter 0.7, hole 0.5, Top Layer to Bottom Layer, 122 vias
v3: diameter 0.2, hole 0.2, Top Layer to Bottom Layer, 3 vias

## Nets (pads, with @x,y where several pads share a name; then routed paths per layer and width w, separated by ;. In a path a pad name is that pad's centre, name@x,y a point inside that pad or via, vN(x,y) a via of type N, cw(c..) or ccw(c..) an arc to the next point about the centre after c; other vN are vias at no path point)
+1V5: C35.1 TP45.1 U3.5 U4.5 U13.5 | length 66.3
  Top Layer w0.2: -24.625,31.3 -24.2,31.725 -22.2,31.725 -22,31.925 TP45.1@-22,33
  Top Layer w0.4: U13.5@-27.03,30.65 -25.75,30.65 -25.1,30 -24.325,30 ; v1(-24.625,32.85) -24.625,31.3 -24.625,30.3 -24.325,30 ; C35.1@-22.95,30 -24.325,30 ; v1(2.3,35.075) 2.32,35.095 U3.5@5.585,35.095 ; v1(22.9,35.1) 25.58,35.1 U4.5@25.585,35.095
  Bottom Layer w0.4: v1(-24.625,32.85) -24.625,33.75 -23.275,35.1 2.275,35.1 v1(2.3,35.075) 2.325,35.1 v1(22.9,35.1)
+3V3: C1.2 C3.2 C4.1 C5.1 C6.2 C9.2 C17.1 C18.1 C39.1 CN1.1 CN2.3 CN6.1 R1.2 R2.2 R21.2 R22.1 R50.2 TP18.1 TP48.1 U1.1 U1.13 U1.19 U1.32 U1.48 U1.64 U6.3 U15.2 | length 337.1
  Top Layer w0.2: -9.38,5.25 -8.75,5.25 -8.25,4.75 -8.25,3 -8,2.75 U1.19@-5.75,2.75 ; -9.38,7 -9.13,6.75 -2.5,6.75 -2.25,6.5 U1.13@-2.25,5.75 ; -9.38,10.5 -9.13,10.25 C5.1@-7.95,10.25 ; -9.38,12.25 -8.88,12.75 C4.1@-7.95,12.75 ; U1.48@3.75,-5.75 v1(3.75,-7) 3.75,-7.75 4,-8 C6.2@5.05,-8 ; U1.1@3.75,5.75 3.75,6.541 3.934,6.725 9.25,6.725 9.5,6.975 ; U1.64@5.75,3.75 9.3,3.75 ; 16.9,27.46 18,26.36 TP18.1@18,25 ; C18.1@39.95,9 41.55,9 41.975,9.425 42,9.45 ; R2.2@41,-20.45 41,-22 41.5,-22.5 44.25,-22.5 ; R1.2@43.75,-20.45 43.75,-22 44.25,-22.5 ; v1(51.2,-22.45) 51.15,-22.5 44.25,-22.5
  Top Layer w0.27: -27.075,27.46 -25.5,25.885 TP48.1@-25.5,23 ; C3.2@-9.5,-5.05 -9.5,-4.025 -9.225,-3.75 v1(-7.75,-3.75) U1.32@-5.75,-3.75 ; R21.2@40,12 41.675,12 42,12.325 ; 42,9.975 42.975,9 C17.1@44.05,9 ; 42.2,12.525 42.725,12 R22.1@44.05,12 ; U6.3@43.4,5.9 43.4,6.85
  Top Layer w0.3: CN6.1@28,24 28,26.51 28.95,27.46
  Top Layer w0.6: -34.025,17.275 -33.3,16.55 -26.925,16.55 -24.95,14.575 -10.009,14.575 ; C1.2@-9.38,3.95 -9.38,5.25 -9.38,7 -9.38,10.5 -9.38,12.25 -9.38,13.945 -10.009,14.575 ; C9.2@11.05,3 9.75,3 9.5,3.25 9.5,6.975 9.5,13 7.925,14.575 -10.009,14.575 ; 41,27.46 42,26.46 42,12.325 v1@42,10.9 ; 41.975,9.45 41.975,9.425 41.975,8.175 42.325,7.825 43.075,7.825 43.4,7.5 43.4,6.85 ; v1(41.975,10.9) 41.975,9.475 42,9.45
  Top Layer w0.8: -37,22 U15.2@-37,24
  Top Layer w1.2: C39.1@-36.3,15 -34.675,15 -34.025,15.65 -34.025,17.275 -34.025,18.45 ; -32.9,21.275 -34.025,20.15 -34.025,18.45 ; R50.2@-31.95,18 -33.575,18 -34.025,18.45
  Top Layer w1.3: 43.635,27.46 CN2.3@45.5,27.46
  Top Layer w1.5: U15.2@-37,18 -37,22 ; -36.275,21.275 -32.9,21.275 -31.7,21.275 -30.65,22.325 -30.65,25.925 -29.115,27.46 -27.075,27.46 16.9,27.46 28.95,27.46 41,27.46 43.635,27.46
  Bottom Layer w0.2: v1(-7.75,-3.75) -6,-3.75 -5.75,-3.5 3.5,-3.5 3.75,-3.75 v1(3.75,-7)
  Bottom Layer w0.27: -9.38,8 -9.38,-3.37 -9,-3.75 v1(-7.75,-3.75)
  Bottom Layer w0.6: v1(41.975,10.9) 41.975,-7.9 43.05,-8.975 50.375,-8.975 51.225,-9.825 51.225,-23 50.7,-23.525 50.675,-23.5 CN1.1@49,-23.5